# Altium PCB PCB_15122020_01BC.PcbDoc (part 4 of 9)
Units mm, origin at the board's own origin, x right, y up, seen from the top; angles counter-clockwise.
Board outline 207.9 x 131.1 mm, 4 copper layers (Top Layer, Layer 1, Layer 2, Bottom Layer), stack 1.57 mm thick; 684 components, 706 nets, 2796 pads, 1697 vias.
Unrouted connection lines stored in the file: 3.
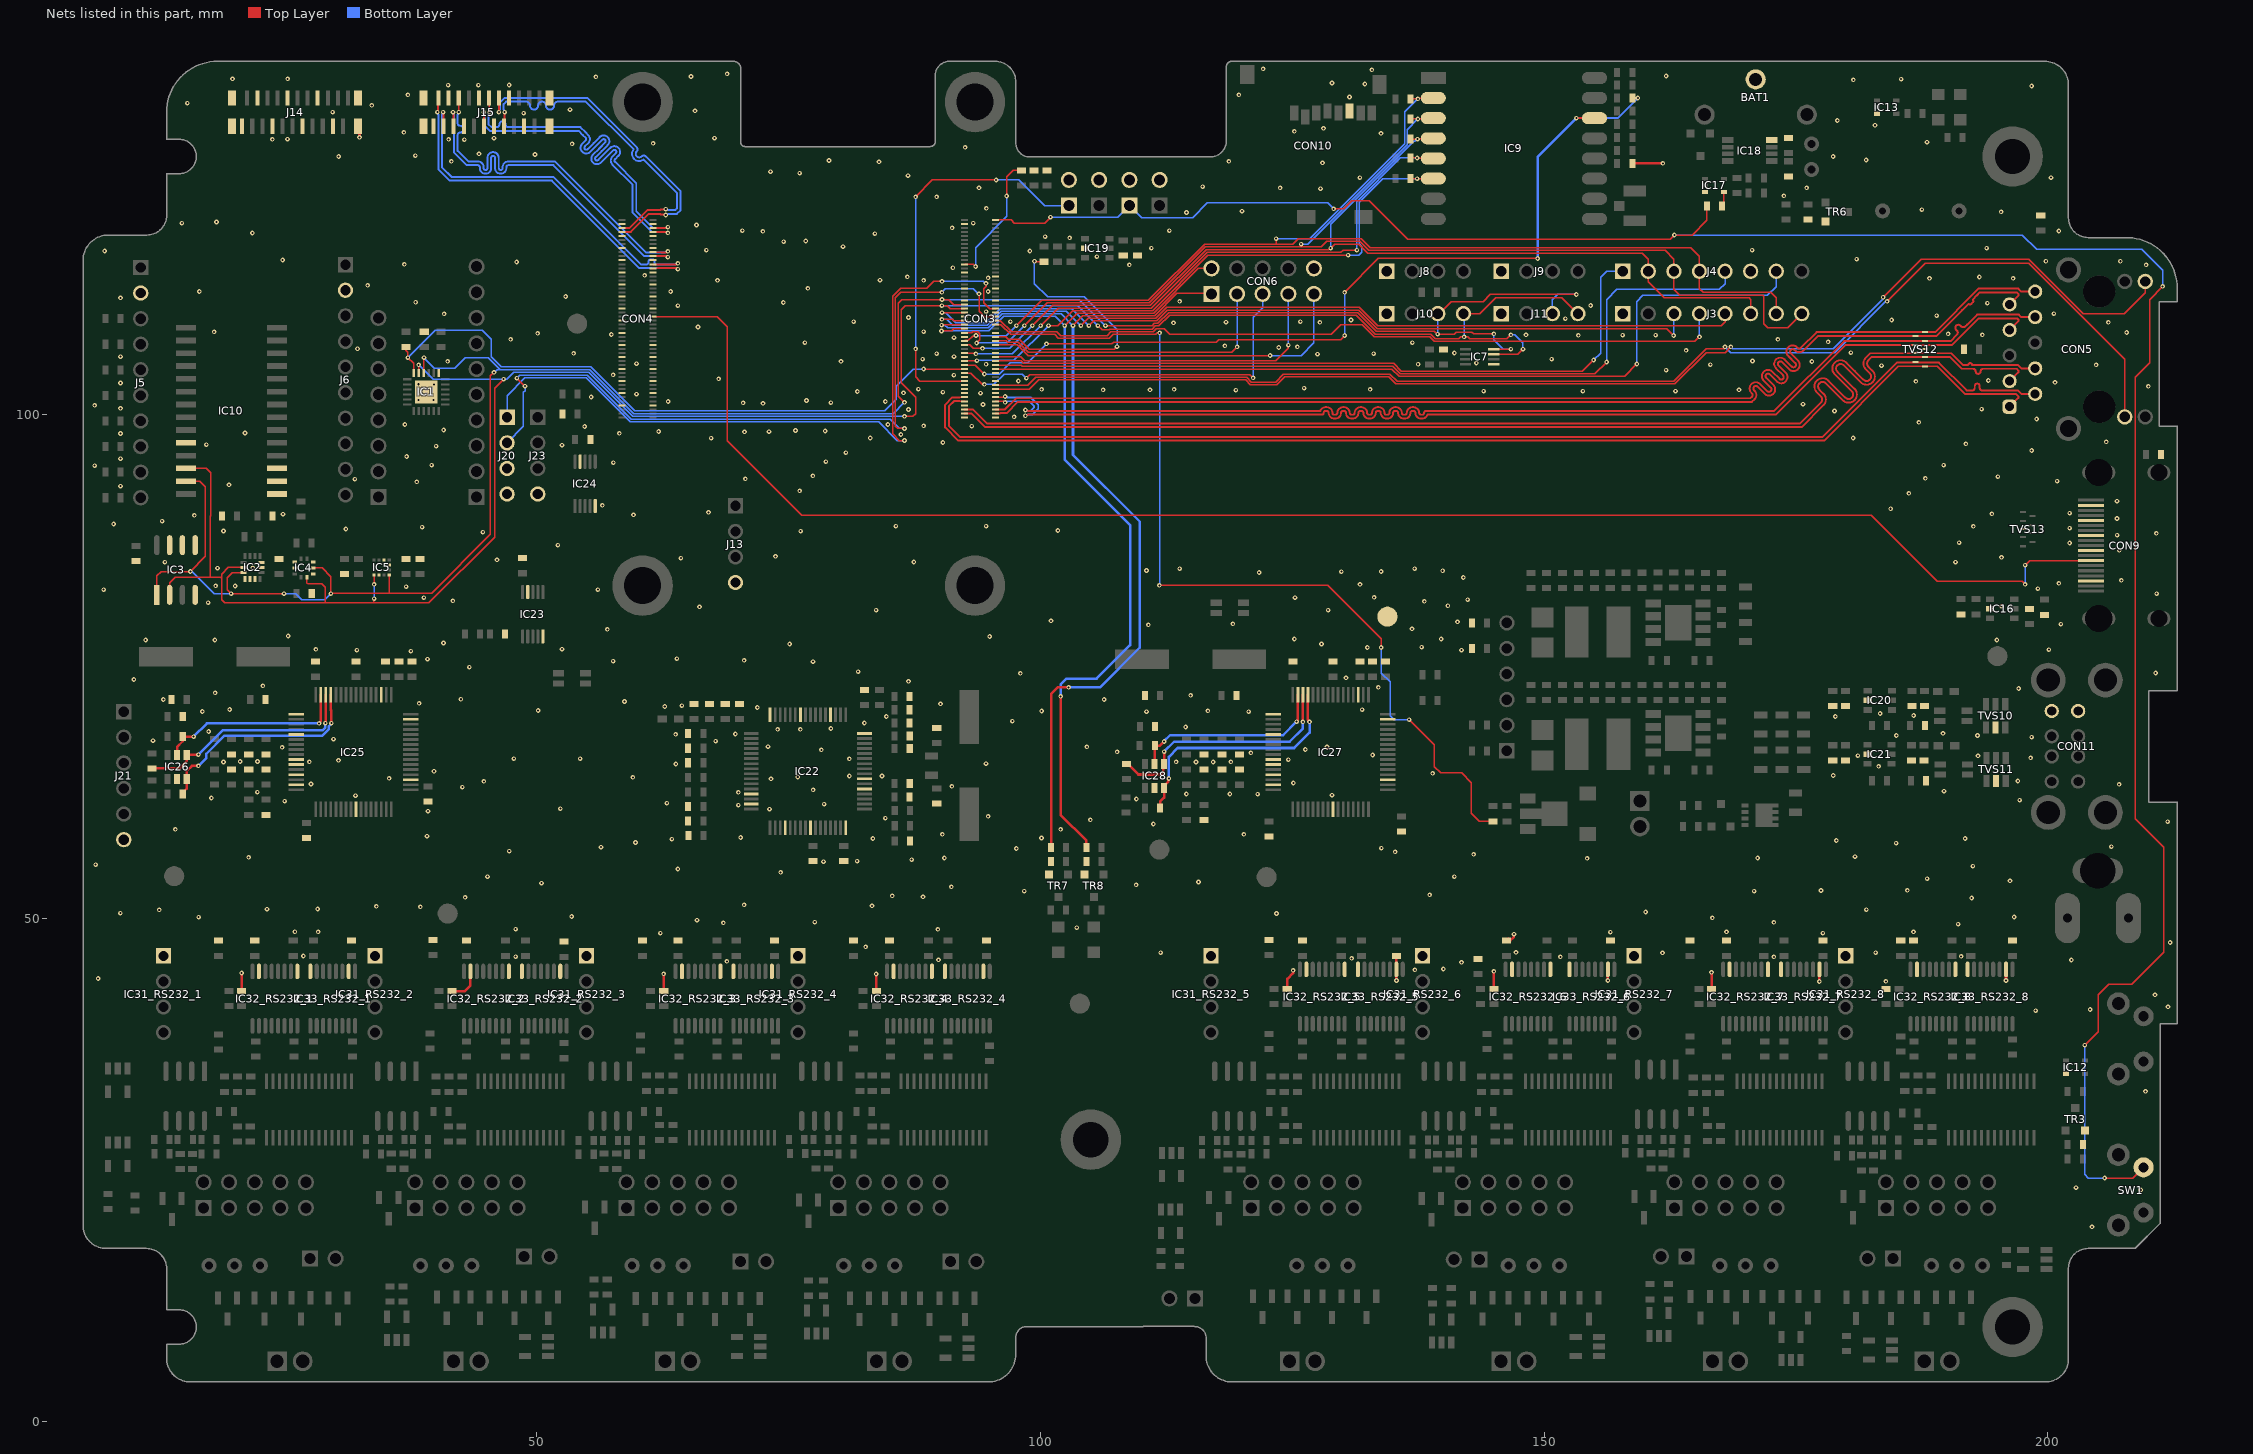
[diagram p6: the nets of this part, all layers, seen from the top]

## Via types
v1: diameter 0.46, hole 0.2, Top Layer to Bottom Layer, tented both sides, 1697 vias

## Nets (pads, with @x,y where several pads share a name; then routed paths per layer and width w, separated by ;. In a path a pad name is that pad's centre, name@x,y a point inside that pad or via, vN(x,y) a via of type N, cw(c..) or ccw(c..) an arc to the next point about the centre after c; other vN are vias at no path point) (continued)
DSI1_D0_N: CON4.75 J15.2 | length 37.3
  Top Layer w0.192: v1(40.123,130) 40.172,130.049 40.172,131.322 J15.2@40.25,131.4 ; CON4.75@61.54,114.5 61.544,114.504 62.001,114.504 62.012,114.515 v1@63.848,114.515
  Bottom Layer w0.192: v1(40.123,130) 40.172,129.951 40.172,129.803 40.227,129.748 40.227,124.351 41.377,123.2 51.5,123.2 60.185,114.515 63.748,114.515 63.803,114.461 63.951,114.461 v1(64,114.411)
DSI1_D0_P: CON4.77 J15.3 | length 37.3
  Top Layer w0.192: v1(40.7,130) 40.725,129.975 40.725,128.625 J15.3@40.75,128.6 ; CON4.77@61.54,114.9 61.544,114.896 62.001,114.896 62.012,114.885 v1@63.848,114.885
  Bottom Layer w0.192: v1(40.7,130) 40.651,129.951 40.651,129.803 40.596,129.748 40.596,124.504 41.53,123.57 51.653,123.57 60.338,114.885 60.8,114.885 60.859,114.885 ccw(c60.859,115.121) 61.096,115.121 61.096,115.16 cw(c61.333,115.16) 61.333,115.396 61.451,115.396 cw(c61.451,115.16) 61.688,115.16 61.688,115.097 ccw(c61.9,115.097) 61.9,114.885 63.748,114.885 63.803,114.939 63.951,114.939 v1(64,114.989)
DSI1_D1_N: CON4.81 J15.5 | length 36.5
  Top Layer w0.192: v1(41.673,130) 41.712,129.962 41.712,128.638 J15.5@41.75,128.6 ; CON4.81@61.54,115.7 61.544,115.704 62.001,115.704 62.018,115.721 62.206,115.721 62.212,115.715 62.896,115.715 v1(63,115.611)
  Bottom Layer w0.192: v1(41.673,130) 41.722,129.951 41.722,129.803 41.777,129.748 41.777,126.001 43.044,124.734 44.154,124.734 cw(c44.154,124.542) 44.346,124.542 44.346,124.45 ccw(c44.907,124.45) 45.469,124.45 45.469,125.468 cw(c45.66,125.468) 45.852,125.468 45.852,124.45 ccw(c46.413,124.45) 46.975,124.45 46.975,124.542 cw(c47.167,124.542) 47.167,124.734 51.651,124.734 60.67,115.715 62.748,115.715 62.803,115.661 62.951,115.661 v1(63,115.611)
DSI1_D1_P: CON4.83 J15.6 | length 36.4
  Top Layer w0.192: v1(42.25,130) J15.6@42.25,131.4 ; CON4.83@61.54,116.1 61.544,116.096 62.001,116.096 62.006,116.09 62.359,116.09 62.365,116.085 62.896,116.085 v1(63,116.189)
  Bottom Layer w0.192: v1(42.25,130) 42.201,129.951 42.201,129.803 42.146,129.748 42.146,129 42.146,128.866 ccw(c42.358,128.866) 42.358,128.654 cw(c42.358,128.308) 42.704,128.308 cw(c42.358,128.308) 42.358,127.962 ccw(c42.358,127.75) 42.146,127.75 42.146,127.4 42.146,126.154 43.197,125.103 44.154,125.103 cw(c44.154,124.542) 44.716,124.542 44.716,124.45 ccw(c44.907,124.45) 45.099,124.45 45.099,125.468 cw(c45.66,125.468) 46.222,125.468 46.222,124.45 ccw(c46.413,124.45) 46.605,124.45 46.605,124.542 cw(c47.167,124.542) 47.167,125.103 51.804,125.103 60.823,116.085 62.748,116.085 62.803,116.139 62.951,116.139 v1(63,116.189)
DSI1_D2_N: CON4.93 J15.11 | length 36.7
  Top Layer w0.192: v1(44.723,130) 44.737,129.986 44.737,128.614 J15.11@44.75,128.6 ; CON4.93@61.54,118.1 61.544,118.104 62.001,118.104 62.012,118.115 62.896,118.115 v1(63,118.011)
  Bottom Layer w0.192: v1(44.723,130) 44.772,129.951 44.772,129.803 44.827,129.748 44.827,128.663 45.351,128.139 54.167,128.139 54.578,127.728 54.844,127.462 ; 54.844,127.461 cw(c54.708,127.326) 54.9,127.326 cw(c54.708,127.326) 54.844,127.191 54.509,126.856 ccw(c54.906,126.459) 55.303,126.062 ; 55.303,126.062 55.904,126.663 56.505,127.264 ; 56.506,127.264 cw(c56.641,127.128) 56.832,127.128 cw(c56.641,127.128) 56.776,126.993 56.175,126.392 55.574,125.791 ccw(c55.971,125.394) 56.368,124.997 57.57,126.199 cw(c57.706,126.063) 57.897,126.063 cw(c57.706,126.063) 57.841,125.928 57.507,125.593 ccw(c57.904,125.196) 57.507,124.799 59.5,122.806 59.5,120.017 61.402,118.115 62.896,118.115 v1(63,118.011)
DSI1_D2_P: CON4.95 J15.12 | length 36.8
  Top Layer w0.192: J15.12@45.25,131.4 45.275,131.375 45.275,130.025 v1(45.3,130) ; CON4.95@61.54,118.5 61.544,118.496 62.001,118.496 62.012,118.485 62.896,118.485 v1(63,118.589)
  Bottom Layer w0.192: v1(45.3,130) 45.251,129.951 45.251,129.803 45.196,129.748 45.196,128.816 45.505,128.508 46,128.508 ccw(c46,128.804) 46.296,128.804 cw(c46.592,128.804) 46.592,129.1 cw(c46.592,128.804) 46.888,128.804 ccw(c47.184,128.804) 47.184,128.508 54.32,128.508 54.839,127.99 55.105,127.723 cw(c54.708,127.326) 55.27,127.326 cw(c54.708,127.326) 55.105,126.929 54.771,126.595 ccw(c54.906,126.459) 55.041,126.323 55.643,126.924 56.244,127.525 cw(c56.641,127.128) 57.202,127.128 cw(c56.641,127.128) 57.038,126.731 56.437,126.13 55.836,125.529 ccw(c55.971,125.394) 56.107,125.258 57.309,126.46 cw(c57.706,126.063) 58.267,126.063 cw(c57.706,126.063) 58.103,125.666 57.768,125.332 ; 57.768,125.331 ccw(c57.904,125.196) 57.767,125.061 59.87,122.959 59.87,120.17 61.555,118.485 62.896,118.485 v1(63,118.589)
DSI1_D3_N: CON4.94 J15.14 | length 33.8
  Top Layer w0.192: v1(46.223,130) 46.237,130.014 46.237,131.386 J15.14@46.25,131.4 ; CON4.94@58.46,118.1 58.464,118.104 58.921,118.104 58.932,118.115 59.338,118.115 61.123,119.9 62.243,119.9 62.297,119.846 62.751,119.846 v1(62.8,119.796)
  Bottom Layer w0.192: v1(46.223,130) 46.272,130.049 46.272,130.197 46.327,130.252 46.327,130.949 46.794,131.416 52.1,131.416 55.006,131.416 59.922,126.501 cw(c59.727,126.305) 60.003,126.305 cw(c59.727,126.305) 59.922,126.11 ccw(c60.169,125.862) 59.922,125.615 ccw(c60.169,125.862) 60.417,125.615 cw(c60.612,125.419) 60.808,125.615 61.32,125.103 64.282,122.141 64.282,120.286 63.896,119.9 63.052,119.9 62.997,119.846 62.849,119.846 v1(62.8,119.796)
DSI1_D3_P: CON4.96 J15.15 | length 33.7
  Top Layer w0.192: J15.15@46.75,128.6 46.775,128.625 46.775,129.975 v1(46.8,130) ; CON4.96@58.46,118.5 58.464,118.496 58.921,118.496 58.932,118.485 59.185,118.485 60.97,120.27 62.243,120.27 62.297,120.324 62.751,120.324 v1(62.8,120.373)
  Bottom Layer w0.192: v1(46.8,130) 46.751,130.049 46.751,130.197 46.696,130.252 46.696,130.796 46.947,131.047 48.9,131.047 48.933,131.047 cw(c48.933,130.651) 49.329,130.651 49.329,130.643 ccw(c49.725,130.643) 49.725,130.247 ccw(c49.725,130.643) 50.121,130.643 50.121,130.651 cw(c50.516,130.651) 50.516,131.047 cw(c50.516,130.651) 50.912,130.651 50.912,130.643 ccw(c51.308,130.643) 51.308,130.247 ccw(c51.308,130.643) 51.704,130.643 51.704,130.651 cw(c52.1,130.651) 52.1,131.047 54.853,131.047 59.599,126.301 ccw(c60.169,125.862) 59.661,125.353 ccw(c60.169,125.862) 60.608,125.292 61.058,124.842 63.8,122.1 63.912,121.988 63.912,120.439 63.743,120.27 63.052,120.27 62.997,120.324 62.849,120.324 v1(62.8,120.373)
EE_1_CLK: IC25.62 IC26.4 R114.1 | length 22.5
  Top Layer w0.254: R114.1@11.8,64.85 14.523,64.85 15.25,65.577 IC26.4@15.25,66.2 15.265,66.215 v1(16.4,66.215) ; v1(29,69.35) 29.05,69.4 IC25.62@29.05,72.16
  Bottom Layer w0.254: v1(16.4,66.215) 18.81,68.625 28.725,68.625 29,68.9 v1(29,69.35)
EE_1_CS: IC25.63 IC26.5 R113.1 | length 18.8
  Top Layer w0.254: IC26.5@14.3,66.2 14.3,67 14.85,67.55 14.85,67.7 15.162,68.012 v1(15.929,68.012) ; v1(28.4,69.33) 28.4,69.386 28.55,69.536 IC25.63@28.55,72.16
  Bottom Layer w0.254: v1(15.929,68.012) 17.247,69.33 v1(28.4,69.33)
EE_1_DATA: IC25.61 IC26.3 R115.2 | length 22.1
  Top Layer w0.254: R115.2@14.85,62.3 14.85,62.45 15.25,62.85 IC26.3@15.25,63.8 15.25,64.58 15.77,65.1 v1(16.4,65.1) ; IC25.61@29.55,72.16 29.55,70.65 29.61,70.59 v1(29.61,69.35)
  Bottom Layer w0.254: v1(16.4,65.1) 17.2,65.9 17.2,66.307 19,68.107 28.71,68.107 29.356,68.753 29.356,69.04 29.61,69.294 v1(29.61,69.35)
EE_2_CLK: IC27.62 IC28.4 R121.1 | length 24.4
  Top Layer w0.254: R121.1@108.52,65.3 108.67,65.3 109.72,64.25 112.013,64.25 112.182,64.419 112.182,65.212 IC28.4@112.27,65.3 v1(112.27,66.51) ; v1(126.05,69.475) IC27.62@126.05,72.16
  Bottom Layer w0.254: v1(112.27,66.51) 113.26,67.5 124.72,67.5 126.05,68.83 v1(126.05,69.475)
EE_2_CS: IC27.63 IC28.5 R120.1 | length 19.6
  Top Layer w0.254: IC28.5@111.32,65.3 111.335,65.315 111.335,67.095 R120.1@111.35,67.11 111.86,67.11 v1(112.28,67.53) ; v1(125.43,69.49) 125.55,69.61 IC27.63@125.55,72.16
  Bottom Layer w0.254: v1(112.28,67.53) 112.28,67.56 112.88,68.16 124.1,68.16 v1(125.43,69.49)
EE_2_DATA: IC27.61 IC28.3 R122.2 | length 24.2
  Top Layer w0.254: R122.2@111.86,60.92 111.87,60.93 111.87,61.56 112.27,61.96 IC28.3@112.27,62.9 112.27,63.1 112.702,63.532 112.702,63.812 v1(112.74,63.85) ; IC27.61@126.55,72.16 126.55,69.691 126.71,69.531 v1(126.71,69.475)
  Bottom Layer w0.254: v1(112.74,63.85) 112.74,66 113.62,66.88 125.179,66.88 126.71,68.411 v1(126.71,69.475)
EEPROM_nWP: CON3.20 J16.1 | length 39.9
  Top Layer w0.127: v1(87.6,106.5) 87.6,103.715 88.015,103.3 CON3.20@92.46,103.3 ; v1(87.6,121.6) 89.27,123.27 v1(95.6,123.27)
  Bottom Layer w0.127: v1(87.6,106.5) v1(87.6,121.6) ; v1(95.6,123.27) 97.86,123.27 100.4,120.73 J16.1@102.825,120.73
Ethernet_nLED1: CON3.19
Ethernet_nLED2: CON3.17 CON5.11 | length 128.3
  Top Layer w0.127: CON3.17@95.54,102.9 98.725,102.9 99.517,103.692 120.46,103.692 120.943,103.209 123.359,103.209 124.119,103.969 134.695,103.969 135.393,103.271 162.855,103.271 166.109,106.525 167.9,106.525 167.95,106.575 v1(167.95,106.7) ; v1(184.058,111.217) 187.841,115 198.1,115 207.64,105.46 CON5.11@207.64,99.75
  Bottom Layer w0.127: v1(167.95,106.7) 167.95,106.689 168.514,106.125 178.841,106.125 183.933,111.217 v1(184.058,111.217)
Ethernet_nLED3: CON3.15 CON5.14 | length 124.9
  Top Layer w0.127: CON3.15@95.54,102.5 98.891,102.5 99.829,103.438 120.355,103.438 120.838,102.955 123.465,102.955 124.224,103.715 134.59,103.715 135.288,103.017 162.96,103.017 166.068,106.125 167.963,106.125 168.527,106.689 v1(168.527,106.7) ; v1(183.65,111.625) 187.425,115.4 198.1,115.4 203.5,110 207.6,110 209.67,112.07 CON5.14@209.67,113.2
  Bottom Layer w0.127: v1(168.527,106.7) 168.702,106.525 178.675,106.525 183.65,111.5 v1(183.65,111.625)
Ethernet_Pair0_N: CON3.10 CON5.2 TVS12.9 | length 117.3
  Top Layer w0.192: CON3.10@92.46,101.3 92.456,101.304 91.999,101.304 91.988,101.315 91.415,101.315 90.9,100.8 90.9,98.856 91.987,97.77 177.647,97.77 185.022,105.145 TVS12.9@186.845,105.145 ; TVS12.9@186.875,105.175 TVS12.9@186.845,105.145 ; CON5.2@198.75,102.03 197.369,102.03 197.022,102.377 194.1,102.377 193.729,102.377 193.484,102.377 cw(c193.484,102.623) 193.238,102.623 193.238,102.808 ccw(c192.992,102.808) 192.992,103.054 ccw(c192.992,102.808) 192.746,102.808 192.746,102.623 cw(c192.5,102.623) 192.5,102.377 191.946,102.377 189.178,105.145 TVS12.9@186.845,105.145
Ethernet_Pair0_P: CON3.12 CON5.1 TVS12.1 | length 117.3
  Top Layer w0.192: CON3.12@92.46,101.7 92.456,101.696 91.999,101.696 91.988,101.685 91.262,101.685 90.531,100.953 90.531,98.703 91.834,97.4 177.8,97.4 185.175,104.775 189.025,104.775 191.792,102.008 196.869,102.008 197.084,101.793 197.084,101.634 CON5.1@196.21,100.76
Ethernet_Pair1_N: CON3.6 CON5.4 TVS12.8 | length 122.5
  Top Layer w0.192: CON3.6@92.46,100.5 92.464,100.496 93.274,100.496 94.67,99.1 175.402,99.1 177.468,101.165 ccw(c177.153,101.481) 177.598,101.481 ccw(c177.153,101.481) 177.468,101.796 ; 177.468,101.796 177.068,102.196 cw(c177.644,102.773) 178.221,103.349 179.913,101.657 ccw(c180.228,101.973) 180.543,101.657 ccw(c180.228,101.973) 180.674,101.973 ccw(c180.228,101.973) 180.544,102.288 178.852,103.98 cw(c179.428,104.556) 180.005,105.133 180.851,104.287 181.697,103.441 ccw(c182.012,103.757) 182.327,103.441 ; 182.327,103.441 ccw(c182.012,103.757) 182.458,103.757 ccw(c182.012,103.757) 182.327,104.072 181.927,104.472 cw(c182.504,105.048) 181.927,105.625 182.372,106.07 187.825,106.07 190.43,106.07 191.606,104.894 192.1,104.894 cw(c192.292,104.894) 192.484,104.894 192.525,104.894 197.045,104.894 197.369,104.57 CON5.4@198.75,104.57
Ethernet_Pair1_P: CON3.4 CON5.3 TVS12.2 | length 122.6
  Top Layer w0.192: CON3.4@92.46,100.1 92.464,100.104 93.143,100.104 94.516,98.73 175.555,98.73 177.729,100.904 ccw(c177.153,101.481) 177.968,101.481 ccw(c177.153,101.481) 177.729,102.057 177.329,102.457 cw(c177.644,102.773) 177.329,103.087 ; 177.329,103.088 cw(c177.644,102.773) 177.96,103.088 179.652,101.396 ; 179.112,104.871 ccw(c179.428,104.556) 179.113,104.241 180.805,102.549 cw(c180.228,101.973) 181.044,101.973 cw(c180.228,101.973) 179.652,101.396 ; 179.113,104.872 cw(c179.428,104.556) 179.744,104.872 180.589,104.026 181.435,103.18 ccw(c182.012,103.757) 182.827,103.757 ccw(c182.012,103.757) 182.589,104.333 182.189,104.733 cw(c182.504,105.048) 182.189,105.364 182.525,105.7 TVS12.2@187.825,105.7 ; TVS12.2@187.825,105.675 TVS12.2@187.825,105.7 ; CON5.3@196.21,103.3 197.084,104.174 197.084,104.333 196.892,104.525 193.8,104.525 193.575,104.525 ccw(c193.575,104.279) 193.329,104.279 193.329,104.267 cw(c193.084,104.267) 193.084,104.021 cw(c193.084,104.267) 192.838,104.267 192.838,104.279 ccw(c192.592,104.279) 192.592,104.525 192.346,104.525 192.1,104.525 191.453,104.525 190.277,105.7 TVS12.2@187.825,105.7
Ethernet_Pair2_N: CON3.9 CON5.8 TVS12.4 | length 115.7
  Top Layer w0.192: CON3.9@95.54,101.3 96.33,101.3 96.43,101.2 v1(96.5,101.2) ; v1(98.5,100.439) 98.549,100.389 98.697,100.389 98.752,100.335 99.1,100.335 127.777,100.335 cw(c128.308,100.15) 128.308,100.712 128.415,100.712 cw(c128.415,100.15) 128.977,100.15 ccw(c129.169,100.15) 129.169,99.958 129.276,99.958 ccw(c129.276,100.15) 129.469,100.15 cw(c130.03,100.15) 130.03,100.712 130.138,100.712 cw(c130.138,100.15) 130.699,100.15 ccw(c130.892,100.15) 130.892,99.958 130.999,99.958 ccw(c130.999,100.15) 131.191,100.15 cw(c131.753,100.15) 131.753,100.712 131.86,100.712 cw(c131.86,100.15) 132.422,100.15 ccw(c132.614,100.15) 132.614,99.958 132.722,99.958 ccw(c132.722,100.15) 132.914,100.15 cw(c133.476,100.15) 133.476,100.712 133.583,100.712 cw(c133.583,100.15) 134.145,100.15 ccw(c134.337,100.15) 134.337,99.958 134.444,99.958 ccw(c134.444,100.15) 134.637,100.15 cw(c135.198,100.15) 135.198,100.712 135.306,100.712 cw(c135.306,100.15) 135.868,100.15 ccw(c136.06,100.15) 136.06,99.958 136.167,99.958 ccw(c136.167,100.15) 136.359,100.15 cw(c136.921,100.15) 136.921,100.712 137.028,100.712 cw(c137.028,100.15) 137.59,100.15 ccw(c137.782,100.15) 137.782,99.958 137.89,99.958 ccw(c137.89,100.15) 138.082,100.15 cw(c138.267,100.15) 138.267,100.335 172.835,100.335 179.775,107.275 186.9,107.275 190.352,107.275 190.977,107.9 ccw(c190.768,108.109) 190.977,108.318 190.901,108.395 cw(c191.11,108.604) 190.901,108.813 cw(c191.11,108.604) 191.319,108.813 191.396,108.737 ccw(c191.605,108.946) 191.814,108.737 191.989,108.911 192.974,109.896 197.123,109.896 197.369,109.65 CON5.8@198.75,109.65
  Bottom Layer w0.192: v1(96.5,101.2) 96.549,101.249 96.697,101.249 96.752,101.304 98.887,101.304 99.355,100.836 99.355,100.677 99.013,100.335 98.752,100.335 98.697,100.389 98.549,100.389 v1(98.5,100.439)
Ethernet_Pair2_P: CON3.11 CON5.7 TVS12.7 | length 115.7
  Top Layer w0.192: CON3.11@95.54,101.7 96.353,101.7 96.43,101.777 v1(96.5,101.777) ; v1(98.5,99.862) 98.549,99.911 98.697,99.911 98.752,99.966 99.1,99.966 127.931,99.966 ccw(c127.931,100.15) 128.115,100.15 cw(c128.308,100.15) 128.308,100.343 128.415,100.343 cw(c128.415,100.15) 128.607,100.15 ccw(c129.169,100.15) 129.169,99.589 129.276,99.589 ccw(c129.276,100.15) 129.838,100.15 cw(c130.03,100.15) 130.03,100.343 130.138,100.343 cw(c130.138,100.15) 130.33,100.15 ccw(c130.892,100.15) 130.892,99.589 130.999,99.589 ccw(c130.999,100.15) 131.561,100.15 cw(c131.753,100.15) 131.753,100.343 131.86,100.343 cw(c131.86,100.15) 132.053,100.15 ccw(c132.614,100.15) 132.614,99.589 132.722,99.589 ccw(c132.722,100.15) 133.283,100.15 cw(c133.476,100.15) 133.476,100.343 133.583,100.343 cw(c133.583,100.15) 133.775,100.15 ccw(c134.337,100.15) 134.337,99.589 134.444,99.589 ccw(c134.444,100.15) 135.006,100.15 cw(c135.198,100.15) 135.198,100.343 135.306,100.343 cw(c135.306,100.15) 135.498,100.15 ccw(c136.06,100.15) 136.06,99.589 136.167,99.589 ccw(c136.167,100.15) 136.729,100.15 cw(c136.921,100.15) 136.921,100.343 137.028,100.343 cw(c137.028,100.15) 137.221,100.15 ccw(c137.782,100.15) 137.782,99.589 137.89,99.589 ccw(c137.89,100.15) 138.42,99.966 172.988,99.966 179.928,106.905 TVS12.7@186.9,106.905 ; TVS12.7@186.875,106.875 186.875,106.88 TVS12.7@186.9,106.905 ; CON5.7@196.21,108.38 197.084,109.254 197.084,109.413 196.97,109.527 193.127,109.527 190.505,106.905 TVS12.7@186.9,106.905
  Bottom Layer w0.192: v1(96.5,101.777) 96.549,101.728 96.697,101.728 96.752,101.673 99.04,101.673 99.778,100.936 99.778,100.577 99.166,99.966 98.752,99.966 98.697,99.911 98.549,99.911 v1(98.5,99.862)
Ethernet_Pair3_N: CON3.5 CON5.10 TVS12.5 | length 118.3
  Top Layer w0.192: CON3.5@95.54,100.5 95.544,100.496 96.001,100.496 96.012,100.485 96.477,100.485 97.592,101.6 170.477,101.6 170.622,101.744 ccw(c170.448,101.918) 170.694,101.918 ccw(c170.448,101.918) 170.622,102.092 170.575,102.139 cw(c171.01,102.574) 171.446,103.009 172.148,102.307 ccw(c172.321,102.481) 172.495,102.306 ; 172.495,102.307 ccw(c172.321,102.481) 172.567,102.481 ccw(c172.321,102.481) 172.495,102.655 171.793,103.357 cw(c172.229,103.792) 172.664,104.227 173.366,103.525 ccw(c173.54,103.699) 173.713,103.525 ; 173.713,103.525 ccw(c173.54,103.699) 173.785,103.699 ccw(c173.54,103.699) 173.713,103.873 173.011,104.575 cw(c173.447,105.01) 173.882,105.445 174.584,104.743 ccw(c174.758,104.917) 174.931,104.743 ccw(c174.758,104.917) 175.004,104.917 ccw(c174.758,104.917) 174.932,105.091 174.229,105.793 ; 174.23,105.793 cw(c174.665,106.228) 175.1,106.663 175.146,106.617 ccw(c175.32,106.791) 175.494,106.617 177.047,108.17 186.925,108.17 188.805,108.17 193.111,112.476 197.083,112.476 197.369,112.19 CON5.10@198.75,112.19
Ethernet_Pair3_P: CON3.3 CON5.9 TVS12.6 | length 118.3
  Top Layer w0.192: CON3.3@95.54,100.1 95.544,100.104 96.001,100.104 96.012,100.115 96.63,100.115 97.745,101.23 170.63,101.23 170.883,101.483 ccw(c170.448,101.918) 171.063,101.918 ccw(c170.448,101.918) 170.883,102.353 170.837,102.4 cw(c171.01,102.574) 170.836,102.747 ; 170.837,102.748 cw(c171.01,102.574) 171.184,102.748 171.886,102.046 ccw(c172.321,102.481) 172.937,102.481 ccw(c172.321,102.481) 172.757,102.916 172.055,103.618 cw(c172.229,103.792) 172.054,103.965 ; 172.055,103.966 cw(c172.229,103.792) 172.402,103.966 173.104,103.264 ccw(c173.54,103.699) 174.155,103.699 ccw(c173.54,103.699) 173.975,104.134 173.273,104.836 cw(c173.447,105.01) 173.272,105.183 ; 173.273,105.184 cw(c173.447,105.01) 173.621,105.184 174.323,104.482 ccw(c174.758,104.917) 175.373,104.917 ccw(c174.758,104.917) 175.193,105.352 ; 174.49,106.401 ccw(c174.665,106.228) 174.491,106.054 175.193,105.352 ; 174.491,106.402 cw(c174.665,106.228) 174.839,106.402 174.885,106.355 ccw(c175.32,106.791) 175.755,106.355 177.2,107.8 TVS12.6@186.925,107.8 ; TVS12.6@186.875,107.775 186.9,107.775 TVS12.6@186.925,107.8 ; CON5.9@196.21,110.92 197.084,111.794 197.084,111.953 196.93,112.107 193.265,112.107 193.058,111.9 192.965,111.807 192.546,111.388 cw(c192.405,111.247) 192.546,111.105 192.411,110.97 cw(c192.269,111.111) 192.128,110.97 191.709,110.551 191.5,110.342 188.958,107.8 TVS12.6@186.925,107.8
Ethernet_SYNC_IN: CON3.16
Ethernet_SYNC_OUT: CON3.18
GLOBAL_EN: IC17.4 R78.2 | length 1.5
  Top Layer w0.127: R78.2@167.65,120.7 167.85,120.9 IC17.4@167.85,122.075
GLOBAL_EN_PIN: CON3.99 J18.1 R78.1 SW1.2 | length 229.9